# KiCad board vme-wren.kicad_pcb (continued)
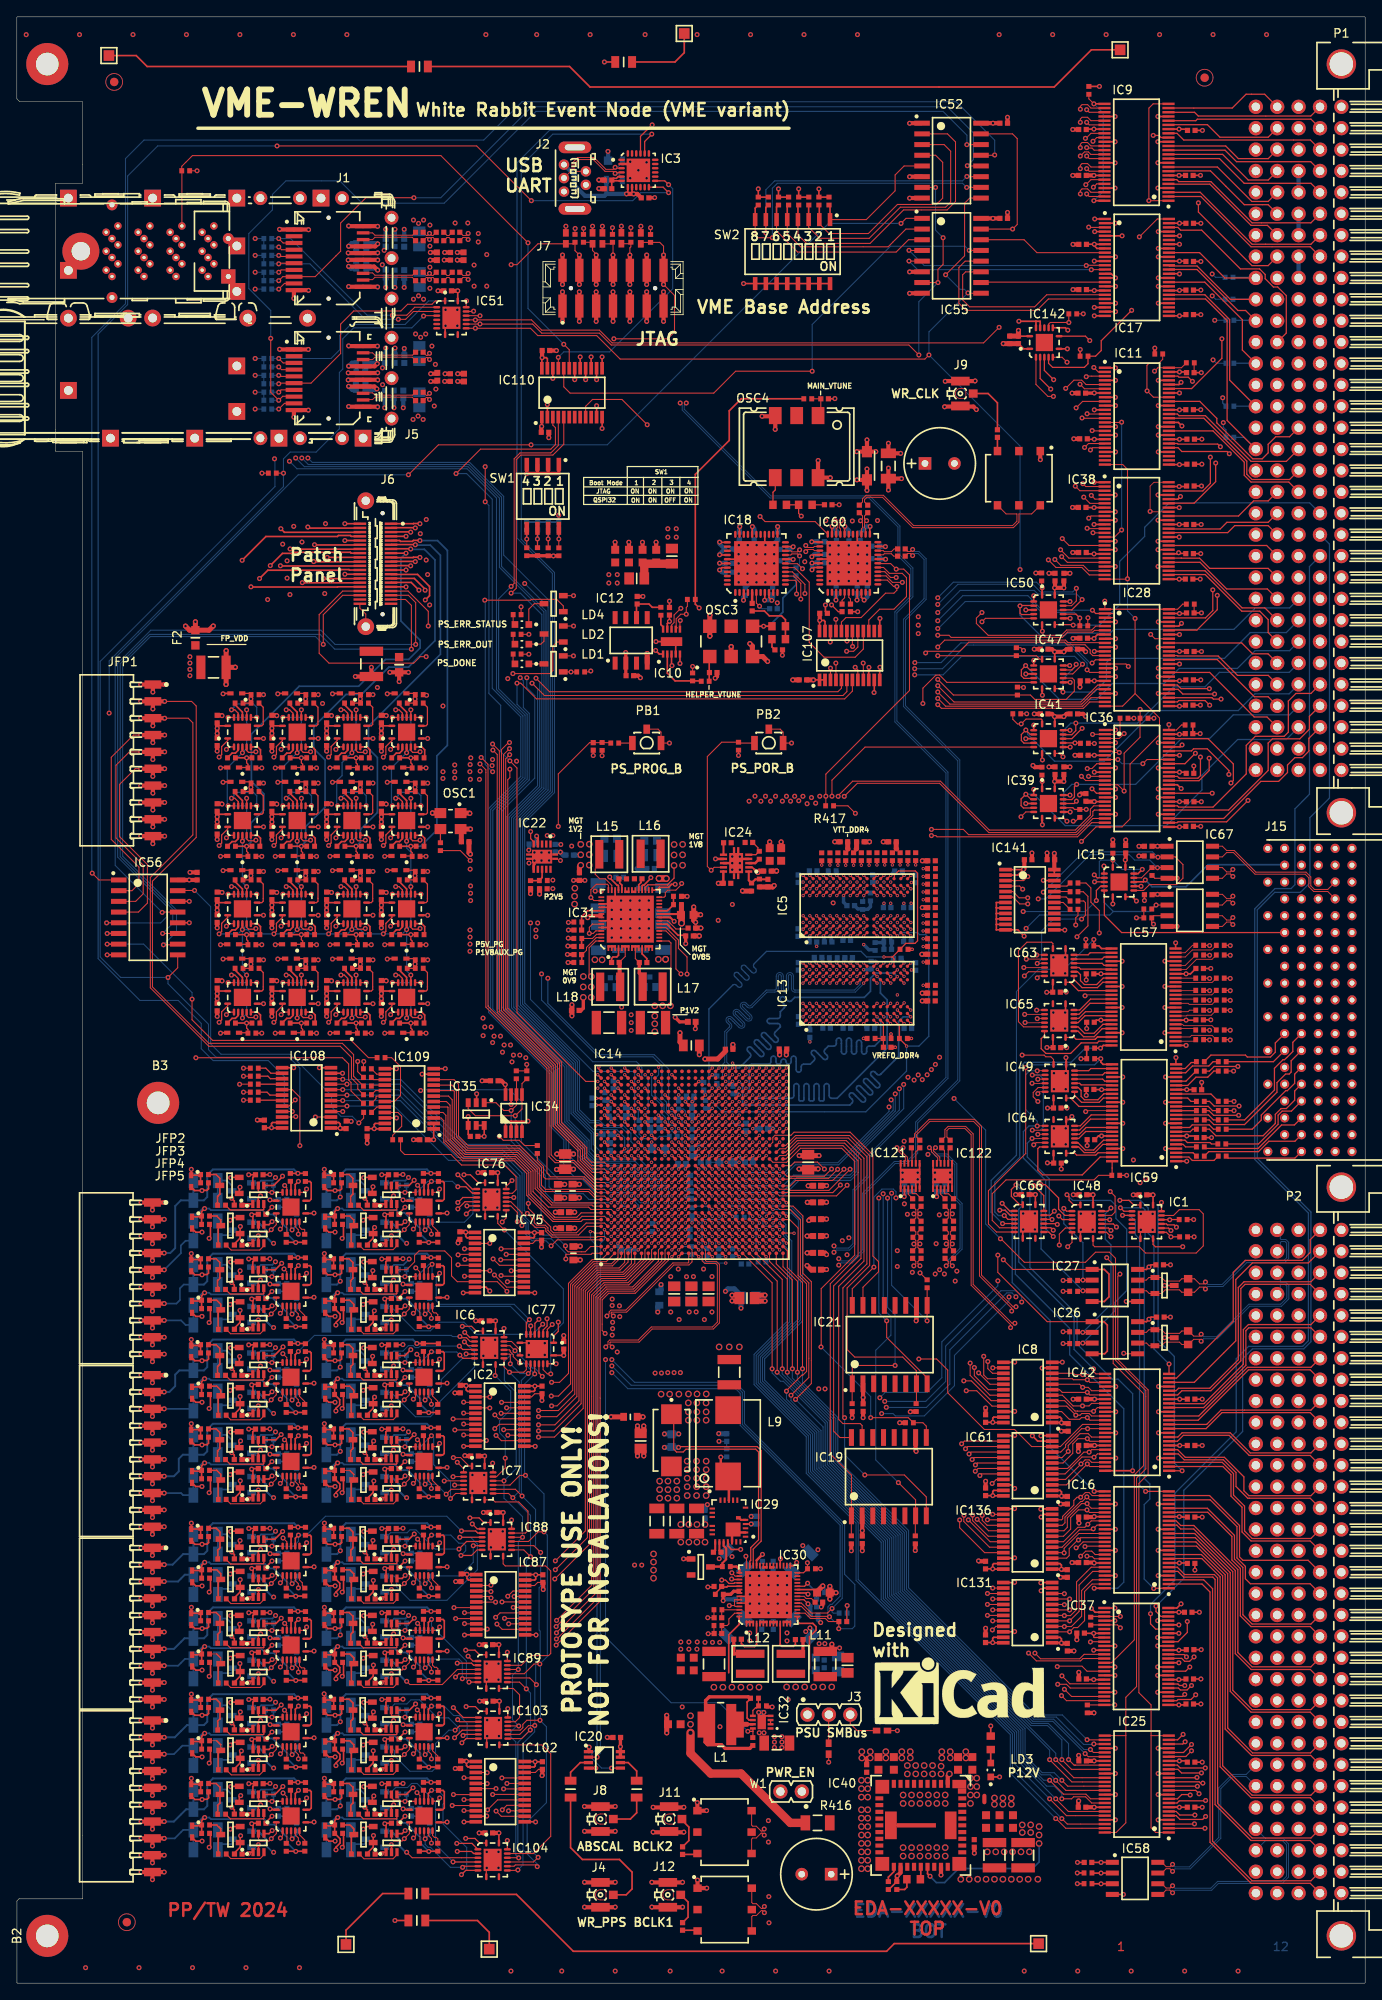
[diagram p0: board, top side]
## Routing (per net, layer and track width the routed paths; a pad name or vN(x,y) marks a point on that pad's centre or on a via; arc(x,y) is an arc through that point) (continued)
/DDR4-PS.A5: length 61.9
  Top Layer w0.15: IC14.AA27 85.78,107.86 ; IC5.P8 v1(104.58,129.94) ; IC13.P8 104.54,120.31 v1(104.57,120.31)
  Top Layer w0.16: v1(103.07,132.77) R75.1
  L3 w0.11: v1(85.79,107.86) 85.4,108.25 85.4,110.28 87.21,112.09 88.34,112.09 arc(88.49,112.02) 88.55,111.88 88.55,111.32 arc(88.62,111.17) 88.76,111.11 arc(88.91,111.17) 88.97,111.32 88.97,112.86 arc(89.04,113) 89.18,113.07 arc(89.33,113) 89.39,112.86 89.39,111.32 arc(89.46,111.17) 89.6,111.11 arc(89.75,111.17) 89.81,111.32 89.81,112.86 arc(89.88,113) 90.02,113.07 arc(90.17,113) 90.23,112.86 90.23,111.32 arc(90.3,111.17) 90.44,111.11 arc(90.59,111.17) 90.65,111.32 90.65,112.86 arc(90.72,113) 90.86,113.07 arc(91.01,113) 91.07,112.86 91.07,111.32 arc(91.14,111.17) 91.28,111.11 arc(91.43,111.17) 91.49,111.32 91.49,111.88 arc(91.56,112.02) 91.7,112.09 92.2,112.09 93.66,113.55 102.32,113.55 102.57,113.8 102.57,114.92 102.8,115.15 103.12,115.15 103.35,115.37 103.35,115.7 103.6,115.95 104.72,115.95 104.97,116.2 104.97,119.91 v1(104.57,120.31) ; v1(103.07,132.77) 103.38,132.46 103.38,131.39 103.59,131.17 103.93,131.17 104.58,130.53 v1(104.58,129.94)
  L10 w0.11: v1(104.57,120.31) 104.18,120.7 104.18,121.65 arc(104.14,121.75) 104.03,121.8 arc(103.93,121.84) 103.89,121.94 103.89,122.07 arc(103.93,122.18) 104.03,122.22 104.32,122.22 arc(104.43,122.26) 104.47,122.37 104.47,122.49 arc(104.43,122.6) 104.32,122.64 103.84,122.64 arc(103.69,122.7) 103.63,122.85 arc(103.69,123) 103.84,123.06 103.97,123.06 arc(104.12,123.12) 104.18,123.27 arc(104.12,123.42) 103.97,123.48 103.84,123.48 arc(103.69,123.54) 103.63,123.69 arc(103.69,123.84) 103.84,123.9 103.97,123.9 arc(104.12,123.96) 104.18,124.11 104.18,126.93 arc(104.12,127.08) 103.97,127.14 103.84,127.14 arc(103.69,127.2) 103.63,127.35 arc(103.69,127.5) 103.84,127.56 104.51,127.56 arc(104.66,127.62) 104.72,127.77 arc(104.66,127.92) 104.51,127.98 104.39,127.98 arc(104.24,128.04) 104.18,128.19 104.18,129.54 v1(104.58,129.94)
/DDR4-PS.A6: length 63.8
  Top Layer w0.15: IC14.Y22 84.98,103.86 ; IC13.P2 v1(104.56,114.74) ; IC5.P2 v1(104.58,125.14)
  Top Layer w0.16: v1(107.63,124.93) R76.1
  L3 w0.11: v1(104.56,114.74) 104.56,114.7 104.82,114.44 104.82,112.86 102.71,110.75 arc(102.65,110.6) 102.71,110.45 102.82,110.34 arc(102.89,110.19) 102.82,110.04 arc(102.68,109.98) 102.53,110.04 102,110.57 arc(101.86,110.63) 101.71,110.57 arc(101.65,110.42) 101.71,110.27 102.23,109.75 arc(102.29,109.6) 102.23,109.45 arc(102.08,109.39) 101.93,109.45 101.41,109.97 arc(101.26,110.04) 101.11,109.97 arc(101.05,109.83) 101.11,109.68 101.64,109.15 arc(101.7,109.01) 101.64,108.86 arc(101.49,108.8) 101.34,108.86 100.82,109.38 arc(100.67,109.44) 100.52,109.38 arc(100.46,109.23) 100.52,109.08 101.04,108.56 arc(101.1,108.41) 101.04,108.26 arc(100.89,108.2) 100.75,108.26 100.22,108.79 arc(100.07,108.85) 99.93,108.79 arc(99.86,108.64) 99.93,108.49 100.45,107.97 arc(100.51,107.82) 100.45,107.67 arc(100.3,107.61) 100.15,107.67 99.63,108.19 arc(99.48,108.25) 99.33,108.19 arc(99.27,108.04) 99.33,107.89 99.85,107.37 arc(99.92,107.22) 99.85,107.08 arc(99.71,107.01) 99.56,107.08 99.03,107.6 arc(98.89,107.66) 98.74,107.6 arc(98.68,107.45) 98.74,107.3 99.26,106.78 arc(99.32,106.63) 99.26,106.48 arc(99.11,106.42) 98.96,106.48 98.44,107 arc(98.29,107.07) 98.14,107 arc(98.08,106.86) 98.14,106.71 98.67,106.18 arc(98.73,106.04) 98.67,105.89 arc(98.52,105.83) 98.37,105.89 97.85,106.41 arc(97.7,106.47) 97.55,106.41 arc(97.49,106.26) 97.55,106.11 98.07,105.59 arc(98.13,105.44) 98.07,105.29 arc(97.92,105.23) 97.78,105.29 97.66,105.41 arc(97.51,105.47) 97.37,105.41 96.25,104.29 85.42,104.29 v1(84.99,103.86)
  L5 w0.11: v1(104.56,114.74) 104.18,115.12 104.18,118.37 arc(104.24,118.52) 104.39,118.58 104.5,118.58 arc(104.65,118.64) 104.71,118.79 arc(104.65,118.94) 104.5,119 104.39,119 arc(104.24,119.06) 104.18,119.21 104.18,120.43 arc(104.16,120.48) 104.11,120.5 arc(104.07,120.52) 104.05,120.56 104.05,120.85 arc(104.07,120.9) 104.11,120.92 104.4,120.92 arc(104.55,120.98) 104.61,121.13 arc(104.55,121.28) 104.4,121.34 104.11,121.34 arc(104.07,121.36) 104.05,121.4 104.05,121.7 arc(104.07,121.75) 104.11,121.77 arc(104.16,121.79) 104.18,121.83 arc(104.24,121.98) 104.39,122.04 104.55,122.04 arc(104.7,122.1) 104.76,122.25 arc(104.7,122.4) 104.55,122.46 104.39,122.46 arc(104.24,122.52) 104.18,122.67 arc(104.24,122.82) 104.39,122.88 104.55,122.88 arc(104.7,122.94) 104.76,123.09 arc(104.7,123.24) 104.55,123.3 103.85,123.3 arc(103.7,123.36) 103.64,123.51 arc(103.7,123.66) 103.85,123.72 103.97,123.72 arc(104.12,123.78) 104.18,123.93 104.18,124.74 v1(104.58,125.14) 104.97,125.52 104.97,126.16 105.13,126.32 106.34,126.32 107.63,125.03 v1(107.63,124.93)
/DDR4-PS.A7: length 61.6
  Top Layer w0.11: v1(85.79,104.66) IC14.AA23
  Top Layer w0.15: IC5.R8 v1(105.38,129.94) ; IC13.R8 v1(105.36,119.54)
  Top Layer w0.16: v1(104.9,132.77) R77.1
  L3 w0.11: v1(105.38,129.94) 105.38,130.97 104.9,131.45 v1(104.9,132.77)
  L5 w0.11: v1(105.36,119.54) 106.2,118.69 106.2,116.14 105.77,115.71 105.77,113.41 102.76,110.4 102.76,109.3 103.06,109 103.06,108.54 102.76,108.24 102.76,103.44 98.06,98.74 90.04,98.74 89.3,99.47 88.83,99.47 88.58,99.73 88.58,100.02 88.35,100.25 88.06,100.25 86.15,102.16 86.15,102.41 85.85,102.71 85.64,102.71 85.4,102.94 85.4,104.27 v1(85.79,104.66)
  L10 w0.11: v1(105.38,129.94) 104.98,129.54 104.98,128.96 arc(104.93,128.85) 104.82,128.8 arc(104.7,128.75) 104.65,128.64 104.65,128.54 arc(104.7,128.43) 104.82,128.38 arc(104.93,128.33) 104.98,128.22 104.98,127.94 arc(105,127.89) 105.04,127.87 arc(105.09,127.86) 105.11,127.81 105.11,127.52 arc(105.09,127.47) 105.04,127.45 104.89,127.45 arc(104.83,127.43) 104.8,127.37 104.8,127.11 arc(104.83,127.05) 104.89,127.02 arc(104.95,127) 104.98,126.93 104.98,124.11 arc(104.92,123.97) 104.77,123.9 104.5,123.9 arc(104.35,123.84) 104.29,123.69 arc(104.35,123.55) 104.5,123.48 104.77,123.48 arc(104.92,123.42) 104.98,123.27 104.98,123.24 arc(104.92,123.11) 104.79,123.05 arc(104.66,123) 104.6,122.87 104.6,122.82 arc(104.66,122.69) 104.79,122.63 105.09,122.63 arc(105.18,122.6) 105.21,122.52 105.21,122.33 arc(105.18,122.25) 105.09,122.21 104.79,122.21 arc(104.65,122.16) 104.6,122.02 104.6,121.99 arc(104.65,121.85) 104.79,121.79 105.04,121.79 arc(105.09,121.78) 105.11,121.73 105.11,121.44 arc(105.09,121.39) 105.04,121.37 104.65,121.37 arc(104.5,121.31) 104.44,121.16 arc(104.5,121.02) 104.65,120.95 104.77,120.95 arc(104.92,120.89) 104.98,120.74 104.98,119.92 v1(105.36,119.54)
/DDR4-PS.A8: length 63.9
  Top Layer w0.15: IC14.AA22 85.78,103.86 ; IC13.R2 104.58,115.52 v1(104.58,115.55) ; IC5.R2 v1(105.38,125.14)
  Top Layer w0.16: v1(107.64,123.08) R78.1
  L3 w0.11: v1(104.58,115.55) 105.77,114.35 105.77,111.92 104.82,110.96 arc(104.76,110.82) 104.82,110.68 arc(104.87,110.53) 104.82,110.39 104.8,110.38 arc(104.66,110.32) 104.52,110.38 104.24,110.66 arc(104.09,110.72) 103.95,110.66 103.94,110.65 arc(103.88,110.5) 103.94,110.36 104.22,110.08 arc(104.28,109.94) 104.22,109.8 104.21,109.78 arc(104.07,109.73) 103.92,109.78 103.64,110.07 arc(103.5,110.13) 103.36,110.07 103.34,110.05 arc(103.29,109.91) 103.34,109.77 103.63,109.49 arc(103.69,109.35) 103.63,109.2 103.61,109.19 arc(103.47,109.13) 103.33,109.19 103.05,109.47 arc(102.91,109.53) 102.76,109.47 102.75,109.46 arc(102.69,109.32) 102.75,109.18 103.03,108.89 arc(103.09,108.75) 103.03,108.61 103.02,108.6 arc(102.88,108.54) 102.74,108.6 102.45,108.88 arc(102.31,108.94) 102.17,108.88 102.16,108.86 arc(102.1,108.72) 102.16,108.58 102.44,108.3 arc(102.5,108.16) 102.44,108.02 102.42,108 arc(102.28,107.94) 102.14,108 101.86,108.28 arc(101.72,108.34) 101.58,108.28 101.56,108.27 arc(101.5,108.13) 101.56,107.99 101.85,107.71 arc(101.9,107.56) 101.85,107.42 101.83,107.41 arc(101.69,107.35) 101.55,107.41 101.27,107.69 arc(101.12,107.75) 100.98,107.69 100.97,107.68 arc(100.91,107.53) 100.97,107.39 101.25,107.11 arc(101.31,106.97) 101.25,106.83 101.24,106.81 arc(101.1,106.76) 100.95,106.81 100.67,107.1 arc(100.53,107.16) 100.39,107.1 100.37,107.08 arc(100.32,106.94) 100.37,106.8 100.66,106.52 arc(100.72,106.38) 100.66,106.23 100.64,106.22 arc(100.5,106.16) 100.36,106.22 100.08,106.5 arc(99.94,106.56) 99.8,106.5 99.78,106.49 arc(99.72,106.35) 99.78,106.21 100.06,105.92 arc(100.12,105.78) 100.06,105.64 100.05,105.63 arc(99.91,105.57) 99.77,105.63 99.48,105.91 arc(99.34,105.97) 99.2,105.91 99.19,105.89 arc(99.13,105.75) 99.19,105.61 99.47,105.33 arc(99.53,105.19) 99.47,105.05 99.45,105.03 arc(99.31,104.97) 99.17,105.03 98.89,105.31 arc(98.75,105.37) 98.61,105.31 98.59,105.3 arc(98.53,105.16) 98.59,105.02 98.88,104.74 arc(98.93,104.59) 98.88,104.45 98.86,104.44 arc(98.72,104.38) 98.58,104.44 98.3,104.72 arc(98.15,104.78) 98.01,104.72 98,104.71 arc(97.94,104.57) 98,104.42 98.28,104.14 arc(98.34,104) 98.28,103.86 98.27,103.84 arc(98.13,103.79) 97.98,103.84 arc(97.84,103.9) 97.7,103.84 97.32,103.46 96.85,103.46 arc(96.71,103.4) 96.65,103.26 arc(96.59,103.12) 96.45,103.06 96.43,103.06 arc(96.29,103.12) 96.23,103.26 arc(96.17,103.4) 96.03,103.46 86.19,103.46 v1(85.79,103.86)
  L5 w0.11: v1(107.64,123.08) 106.58,124.15 106.58,125.4 106.44,125.54 105.78,125.54 v1(105.38,125.14) 104.97,124.73 104.97,123.79 arc(105.04,123.64) 105.18,123.58 105.66,123.58 arc(105.81,123.52) 105.87,123.37 arc(105.81,123.22) 105.66,123.16 105.18,123.16 arc(105.04,123.1) 104.97,122.95 arc(105.04,122.8) 105.18,122.74 105.71,122.74 arc(105.86,122.68) 105.92,122.53 arc(105.86,122.38) 105.71,122.32 105.18,122.32 arc(105.04,122.26) 104.97,122.11 arc(105.03,121.97) 105.17,121.92 arc(105.31,121.86) 105.37,121.72 105.37,121.68 arc(105.31,121.54) 105.17,121.48 104.92,121.48 arc(104.88,121.47) 104.86,121.43 104.86,121.12 arc(104.88,121.08) 104.92,121.06 arc(104.96,121.05) 104.97,121.01 104.97,118.37 arc(104.91,118.22) 104.76,118.16 104.69,118.16 arc(104.55,118.1) 104.48,117.95 arc(104.55,117.8) 104.69,117.74 105.25,117.74 arc(105.4,117.68) 105.46,117.53 arc(105.4,117.38) 105.25,117.32 105.18,117.32 arc(105.04,117.26) 104.97,117.11 104.97,115.95 v1(104.58,115.55)
/DDR4-PS.A9: length 62.5
  Top Layer w0.15: IC13.R7 v1(105.36,118.74) ; IC14.AB23 86.58,104.66 ; IC5.R7 v1(105.38,129.14)
  Top Layer w0.16: v1(105.82,132.78) R79.1
  L3 w0.11: v1(105.38,129.14) 105.82,129.57 105.82,132.74 105.8,132.76 v1(105.82,132.78)
  L5 w0.11: v1(86.59,104.66) 86.2,104.27 86.2,103.24 87.04,102.41 87.04,102.11 87.28,101.87 87.53,101.87 90.31,99.09 97.76,99.09 99.21,100.54 arc(99.27,100.67) 99.21,100.8 arc(99.16,100.93) 99.21,101.06 99.25,101.09 arc(99.38,101.15) 99.51,101.09 99.7,100.9 arc(99.76,100.88) 99.82,100.9 100,101.08 arc(100.02,101.14) 100,101.2 99.81,101.39 arc(99.75,101.52) 99.81,101.66 99.84,101.69 arc(99.97,101.74) 100.1,101.69 100.3,101.5 arc(100.36,101.47) 100.42,101.5 100.59,101.67 arc(100.62,101.73) 100.59,101.79 100.4,101.99 arc(100.35,102.12) 100.4,102.25 100.43,102.28 arc(100.57,102.34) 100.7,102.28 100.89,102.09 arc(100.95,102.07) 101.01,102.09 101.19,102.27 arc(101.21,102.33) 101.19,102.39 100.99,102.58 arc(100.94,102.71) 100.99,102.84 101.03,102.88 arc(101.16,102.93) 101.29,102.88 101.48,102.68 arc(101.54,102.66) 101.61,102.68 101.78,102.86 arc(101.81,102.92) 101.78,102.98 101.59,103.17 arc(101.54,103.3) 101.59,103.43 101.64,103.48 arc(101.77,103.53) 101.9,103.48 arc(102.03,103.43) 102.16,103.48 102.31,103.64 102.31,110.65 104.97,113.31 104.97,115.36 105.76,116.15 105.76,118.33 v1(105.36,118.74)
  L8 w0.11: v1(105.36,118.74) 105.77,119.14 105.77,121.58 arc(105.83,121.73) 105.98,121.79 106.03,121.79 arc(106.18,121.85) 106.24,122 arc(106.18,122.15) 106.03,122.21 105.5,122.21 arc(105.35,122.27) 105.29,122.42 arc(105.35,122.57) 105.5,122.63 105.85,122.63 arc(105.91,122.65) 105.94,122.71 105.94,122.96 arc(105.91,123.02) 105.85,123.05 105.5,123.05 arc(105.35,123.11) 105.29,123.26 arc(105.35,123.41) 105.5,123.47 106.03,123.47 arc(106.18,123.53) 106.24,123.68 arc(106.18,123.83) 106.03,123.89 105.98,123.89 arc(105.83,123.95) 105.77,124.1 105.77,126.45 arc(105.83,126.6) 105.98,126.66 106.03,126.66 arc(106.18,126.72) 106.24,126.87 arc(106.18,127.02) 106.03,127.08 105.98,127.08 arc(105.83,127.14) 105.77,127.29 105.77,128.75 v1(105.38,129.14)
/DDR4-PS.A10: length 66.2
  Top Layer w0.15: IC5.M3 v1(102.98,126.74) ; IC14.AA25 85.78,106.26 ; IC13.M3 v1(102.96,116.34)
  Top Layer w0.16: v1(107.64,130.48) R80.1
  L3 w0.11: v1(85.79,106.26) 85.39,106.66 84.02,106.66 83.76,106.92 83.76,108.75 84.72,109.71 84.72,110.75 84.2,111.27 84.2,111.74 arc(84.27,111.88) 84.41,111.95 84.65,111.95 arc(84.8,112.01) 84.86,112.16 arc(84.8,112.3) 84.65,112.37 84.41,112.37 arc(84.27,112.43) 84.2,112.58 84.2,113.04 85.05,113.89 arc(85.2,113.83) 85.26,113.68 85.26,113.44 arc(85.33,113.29) 85.47,113.23 arc(85.62,113.29) 85.68,113.44 85.68,114.29 arc(85.75,114.44) 85.89,114.5 arc(86.04,114.44) 86.1,114.29 86.1,113.44 arc(86.17,113.29) 86.31,113.23 arc(86.46,113.29) 86.52,113.44 86.52,114.24 arc(86.59,114.39) 86.73,114.45 arc(86.88,114.39) 86.94,114.24 86.94,113.44 arc(87.01,113.29) 87.15,113.23 arc(87.3,113.29) 87.36,113.44 87.36,114.24 arc(87.43,114.39) 87.57,114.45 arc(87.72,114.39) 87.78,114.24 87.78,113.44 arc(87.85,113.29) 87.99,113.23 arc(88.14,113.29) 88.2,113.44 88.2,114.24 arc(88.27,114.39) 88.41,114.45 arc(88.56,114.39) 88.62,114.24 88.62,113.44 arc(88.69,113.29) 88.83,113.23 arc(88.98,113.29) 89.04,113.44 89.04,114.24 arc(89.11,114.39) 89.25,114.45 arc(89.4,114.39) 89.46,114.24 89.46,113.49 arc(89.53,113.34) 89.67,113.28 arc(89.82,113.34) 89.88,113.49 89.88,113.68 arc(89.95,113.83) 90.09,113.89 91.7,113.89 92.15,114.34 101.03,114.34 101.42,114.72 101.42,115.59 101.78,115.95 102.58,115.95 v1(102.96,116.34) 102.58,116.72 102.58,117.73 arc(102.64,117.88) 102.79,117.94 102.89,117.94 arc(103.04,118) 103.1,118.15 arc(103.04,118.3) 102.89,118.36 102.79,118.36 arc(102.64,118.42) 102.58,118.57 102.58,119.04 arc(102.64,119.19) 102.79,119.25 102.89,119.25 arc(103.04,119.31) 103.1,119.46 arc(103.04,119.61) 102.89,119.67 102.79,119.67 arc(102.64,119.73) 102.58,119.88 arc(102.64,120.03) 102.79,120.09 102.89,120.09 arc(103.04,120.15) 103.1,120.3 arc(103.04,120.45) 102.89,120.51 102.79,120.51 arc(102.64,120.57) 102.58,120.72 102.58,121.66 arc(102.52,121.81) 102.37,121.87 102.37,121.87 arc(102.22,121.93) 102.16,122.08 arc(102.22,122.23) 102.37,122.29 102.94,122.29 arc(103.09,122.35) 103.15,122.5 arc(103.09,122.65) 102.94,122.71 102.79,122.71 arc(102.64,122.77) 102.58,122.92 arc(102.64,123.07) 102.79,123.13 102.94,123.13 arc(103.09,123.19) 103.15,123.34 arc(103.09,123.49) 102.94,123.55 102.79,123.55 arc(102.64,123.61) 102.58,123.76 IC5.M3 v1(102.98,126.74) 103.36,127.12 103.36,128.41 103.64,128.69 105.85,128.69 v1(107.64,130.48)
/DDR4-PS.A11: length 61.9
  Top Layer w0.15: IC5.T2 v1(106.18,125.14) ; IC14.AA26 85.78,107.06 ; IC13.T2 v1(106.16,114.74)
  Top Layer w0.16: v1(107.64,121.24) R81.1
  L3 w0.11: v1(106.18,125.14) 106.68,124.63 106.68,121.79 107.24,121.24 v1(107.64,121.24)
  L5 w0.11: v1(106.18,125.14) 105.78,124.74 105.78,123.94 107,122.71 107,120.71 arc(107.06,120.57) 107.21,120.51 arc(107.35,120.45) 107.41,120.31 107.41,120.27 arc(107.35,120.13) 107.21,120.07 106.8,120.07 arc(106.66,120.01) 106.6,119.87 106.6,119.84 arc(106.66,119.69) 106.8,119.63 107.21,119.63 arc(107.35,119.57) 107.41,119.43 107.41,119.4 arc(107.35,119.25) 107.21,119.19 106.8,119.19 arc(106.66,119.13) 106.6,118.99 106.6,118.94 arc(106.66,118.79) 106.8,118.73 arc(106.94,118.67) 107,118.53 107,115.24 106.5,114.74 v1(106.16,114.74)
  Bottom Layer w0.2: v1(85.79,107.06) 86.19,106.66 86.19,104.5 86.42,104.26 98.93,104.26 99.19,104.52 arc(99.28,104.73) 99.19,104.95 98.93,105.2 arc(98.85,105.42) 98.93,105.63 arc(99.15,105.72) 99.36,105.63 100.3,104.69 arc(100.51,104.6) 100.72,104.69 arc(100.81,104.9) 100.72,105.11 99.78,106.05 arc(99.69,106.26) 99.78,106.48 arc(99.99,106.56) 100.21,106.48 101.15,105.54 arc(101.36,105.45) 101.57,105.54 arc(101.66,105.75) 101.57,105.96 100.63,106.9 arc(100.54,107.11) 100.63,107.32 arc(100.84,107.41) 101.06,107.32 102,106.38 arc(102.21,106.3) 102.42,106.38 arc(102.51,106.6) 102.42,106.81 101.48,107.75 arc(101.39,107.96) 101.48,108.17 arc(101.69,108.26) 101.9,108.17 102.16,107.92 arc(102.37,107.83) 102.59,107.92 104.72,110.05 104.72,114.18 105.28,114.74 v1(106.16,114.74)
/DDR4-PS.A12: length 63.9
  Top Layer w0.15: IC5.M7 v1(102.98,129.14) ; IC14.AB25 86.58,106.26 ; IC13.M7 v1(102.96,118.74)
  Top Layer w0.16: v1(100.3,132.73) 100.3,133.25
  L5 w0.11: v1(102.98,129.14) IC5.M7 101.38,129.54 101.18,129.74 101.18,131.85 v1(100.3,132.73)
  L8 w0.11: v1(102.98,129.14) 102.58,128.74 arc(102.52,128.59) 102.37,128.53 102.26,128.53 arc(102.12,128.46) 102.05,128.32 arc(102.12,128.17) 102.26,128.11 102.37,128.11 arc(102.52,128.04) 102.58,127.9 arc(102.52,127.75) 102.37,127.69 102.26,127.69 arc(102.12,127.62) 102.05,127.48 arc(102.12,127.33) 102.26,127.27 102.37,127.27 arc(102.52,127.2) 102.58,127.06 102.58,123.77 arc(102.61,123.69) 102.68,123.66 arc(102.76,123.63) 102.79,123.55 102.79,123.33 arc(102.76,123.25) 102.68,123.22 102.21,123.22 arc(102.07,123.16) 102,123.01 arc(102.07,122.86) 102.21,122.8 102.66,122.8 arc(102.72,122.78) 102.75,122.72 102.75,122.46 arc(102.72,122.41) 102.66,122.38 102.21,122.38 arc(102.07,122.32) 102,122.17 arc(102.07,122.02) 102.21,121.96 102.37,121.96 arc(102.52,121.9) 102.58,121.75 102.58,119.12 v1(102.96,118.74)
  L10 w0.11: v1(86.59,106.26) 86.2,106.65 86.2,108.89 87,109.69 87,110.74 arc(86.95,110.87) 86.82,110.92 arc(86.7,110.97) 86.64,111.1 86.64,111.18 arc(86.7,111.31) 86.82,111.36 87.19,111.36 arc(87.32,111.42) 87.37,111.54 87.37,111.6 arc(87.32,111.73) 87.19,111.78 86.82,111.78 arc(86.69,111.84) 86.64,111.96 86.64,112.02 arc(86.69,112.15) 86.82,112.2 87.19,112.2 arc(87.32,112.26) 87.37,112.38 87.37,112.44 arc(87.32,112.57) 87.19,112.62 86.82,112.62 arc(86.69,112.68) 86.64,112.8 86.64,112.86 arc(86.69,112.99) 86.82,113.04 87.19,113.04 arc(87.32,113.1) 87.37,113.22 87.37,113.28 arc(87.32,113.41) 87.19,113.46 86.82,113.46 arc(86.69,113.52) 86.64,113.64 86.64,113.7 arc(86.69,113.83) 86.82,113.88 87.18,113.88 arc(87.31,113.93) 87.36,114.06 87.36,114.12 arc(87.31,114.25) 87.18,114.3 arc(87.06,114.35) 87,114.48 87,118.84 90.25,122.09 98.11,122.09 98.57,121.62 98.57,118.12 99.16,117.54 100.41,117.54 102,115.95 102.32,115.95 102.55,116.17 102.55,118.03 102.96,118.45 v1(102.96,118.74)
/DDR4-PS.A13: length 60.8
  Top Layer w0.15: v1(105.37,120.31) 105.38,120.31 IC13.T8 ; IC5.T8 v1(106.18,129.94) ; IC14.AB26 86.58,107.06
  Top Layer w0.16: v1(106.75,132.77) R83.1
  L3 w0.11: v1(106.75,132.77) 106.75,130.5 v1(106.18,129.94)
  L8 w0.11: v1(105.37,120.31) 104.97,119.91 104.97,118.59 104.61,118.24 101.58,118.24 101.14,117.8 101.14,111.74 arc(101.2,111.59) 101.35,111.53 101.63,111.53 arc(101.78,111.47) 101.84,111.32 arc(101.78,111.17) 101.63,111.11 100.65,111.11 arc(100.51,111.05) 100.44,110.9 arc(100.51,110.75) 100.65,110.69 101.63,110.69 arc(101.78,110.63) 101.84,110.48 arc(101.78,110.33) 101.63,110.27 101.35,110.27 arc(101.2,110.21) 101.14,110.06 101.14,108.88 96.55,104.29 95.64,104.29 arc(95.5,104.35) 95.44,104.49 arc(95.39,104.63) 95.24,104.69 95.22,104.69 arc(95.08,104.63) 95.02,104.49 95.02,104.09 arc(94.97,103.95) 94.82,103.89 94.8,103.89 arc(94.66,103.95) 94.6,104.09 94.6,104.49 arc(94.55,104.63) 94.4,104.69 94.38,104.69 arc(94.24,104.63) 94.18,104.49 94.18,104.09 arc(94.13,103.95) 93.98,103.89 93.96,103.89 arc(93.82,103.95) 93.76,104.09 93.76,104.49 arc(93.71,104.63) 93.56,104.69 93.54,104.69 arc(93.4,104.63) 93.34,104.49 93.34,104.09 arc(93.29,103.95) 93.14,103.89 93.12,103.89 arc(92.98,103.95) 92.92,104.09 92.92,104.49 arc(92.87,104.63) 92.72,104.69 92.7,104.69 arc(92.56,104.63) 92.5,104.49 arc(92.45,104.35) 92.3,104.29 87.25,104.29 87.03,104.51 87.03,106.62 v1(86.59,107.06)
  L10 w0.11: v1(105.37,120.31) 105.77,120.72 105.77,121.58 105.78,121.59 arc(105.84,121.74) 105.99,121.8 106.03,121.8 arc(106.18,121.86) 106.24,122.01 arc(106.18,122.16) 106.03,122.22 105.62,122.22 arc(105.52,122.26) 105.47,122.37 105.47,122.49 arc(105.52,122.59) 105.62,122.64 105.83,122.64 arc(105.87,122.66) 105.89,122.69 105.89,123 arc(105.87,123.04) 105.83,123.06 105.52,123.06 arc(105.37,123.12) 105.31,123.27 arc(105.37,123.42) 105.52,123.48 106.03,123.48 arc(106.18,123.54) 106.24,123.69 arc(106.18,123.84) 106.03,123.9 105.99,123.9 arc(105.84,123.96) 105.78,124.11 105.78,126.46 arc(105.84,126.61) 105.99,126.67 106.03,126.67 arc(106.18,126.73) 106.24,126.88 arc(106.18,127.03) 106.03,127.09 105.52,127.09 arc(105.37,127.15) 105.31,127.3 arc(105.37,127.45) 105.52,127.51 105.57,127.51 arc(105.72,127.57) 105.78,127.72 105.78,129.54 v1(106.18,129.94)
/DDR4-PS.ACTN: length 69
  Top Layer w0.15: IC14.Y23 84.98,104.66 ; IC13.L3 v1(102.16,116.34) ; IC5.L3 v1(102.18,126.74)
  Top Layer w0.16: v1(107.64,132.33) R97.1
  L3 w0.11: v1(102.18,126.74) IC5.L3 101.78,125.94 arc(101.72,125.79) 101.57,125.73 101.09,125.73 arc(100.94,125.67) 100.88,125.52 arc(100.94,125.37) 101.09,125.31 101.57,125.31 arc(101.72,125.25) 101.78,125.1 arc(101.72,124.95) 101.57,124.89 101.49,124.89 arc(101.34,124.83) 101.28,124.68 arc(101.34,124.53) 101.49,124.47 101.57,124.47 arc(101.72,124.41) 101.78,124.26 arc(101.75,124.2) 101.69,124.17 arc(101.63,124.15) 101.6,124.08 101.6,123.8 arc(101.63,123.74) 101.69,123.72 102.12,123.72 arc(102.27,123.65) 102.33,123.51 arc(102.27,123.36) 102.12,123.3 101.68,123.3 arc(101.62,123.27) 101.59,123.2 101.59,122.97 arc(101.62,122.9) 101.68,122.88 102.07,122.88 arc(102.22,122.81) 102.28,122.67 arc(102.22,122.52) 102.07,122.46 101.99,122.46 arc(101.84,122.39) 101.78,122.25 101.78,116.72 v1(102.16,116.34)
  L5 w0.11: v1(102.18,126.74) 102.18,128.18 102.66,128.66 104.68,128.66 104.99,128.98 104.99,131.81 105.51,132.33 v1(107.64,132.33)
  L10 w0.11: v1(102.16,116.34) 101.76,116.73 101.76,118.08 100.72,119.12 99.6,119.12 99.36,119.36 99.36,121.94 98.91,122.39 88.9,122.39 86.2,119.69 86.2,118.69 arc(86.26,118.55) 86.4,118.49 arc(86.54,118.43) 86.6,118.29 86.6,118.27 arc(86.54,118.13) 86.4,118.07 86.01,118.07 arc(85.87,118.01) 85.81,117.87 85.81,117.85 arc(85.87,117.71) 86.01,117.65 86.4,117.65 arc(86.54,117.59) 86.6,117.45 86.6,117.43 arc(86.54,117.29) 86.4,117.23 86.01,117.23 arc(85.87,117.17) 85.81,117.03 85.81,117.01 arc(85.87,116.87) 86.01,116.81 86.4,116.81 arc(86.54,116.75) 86.6,116.61 86.6,116.59 arc(86.54,116.45) 86.4,116.39 86.03,116.39 arc(85.91,116.34) 85.86,116.22 85.86,116.14 arc(85.91,116.02) 86.03,115.97 86.4,115.97 arc(86.54,115.91) 86.6,115.77 86.6,115.75 arc(86.54,115.61) 86.4,115.55 arc(86.26,115.49) 86.2,115.35 86.2,109.49 85.4,108.69 85.4,106.9 84.99,106.49 v1(84.99,104.66)
/DDR4-PS.ALERTN: length 58.5
  Top Layer w0.15: IC13.P9 104.16,121.66 103.98,121.84 ; 103.98,121.84 v1(102.98,121.84) ; 103.98,121.84 104.66,122.51 104.68,122.51 104.89,122.73 R113.1 104.89,122.77 105.58,123.46 106.67,123.46 106.97,123.76 106.97,131.79 106.71,132.05 104.7,132.05 104.21,131.56 104.21,131.17 IC5.P9 ; IC14.U25 82.58,106.26
  Bottom Layer w0.15: v1(82.59,106.26) 82.19,106.66 82.19,115.67 85.02,118.49 arc(85.23,118.58) 85.44,118.49 85.62,118.32 arc(85.83,118.23) 86.04,118.32 arc(86.13,118.53) 86.04,118.74 85.27,119.51 arc(85.18,119.73) 85.27,119.94 arc(85.48,120.03) 85.69,119.94 86.46,119.17 arc(86.68,119.08) 86.89,119.17 arc(86.98,119.38) 86.89,119.59 86.12,120.36 arc(86.03,120.58) 86.12,120.79 arc(86.33,120.88) 86.54,120.79 87.31,120.02 arc(87.52,119.93) 87.74,120.02 arc(87.82,120.23) 87.74,120.44 87.56,120.61 arc(87.48,120.83) 87.56,121.04 89.04,122.51 100.25,122.51 100.92,121.84 v1(102.98,121.84)
/DDR4-PS.BA0: length 65.7
  Top Layer w0.15: IC14.V23 83.38,104.66 ; IC13.N2 v1(103.76,114.74) ; IC5.N2 v1(103.78,125.14)
  Top Layer w0.16: v1(107.64,126.78) R108.1
  L3 w0.11: v1(83.39,104.66) 83.79,105.06 93.88,105.06 94.15,105.34 arc(94.22,105.49) 94.15,105.64 93.96,105.83 arc(93.9,105.97) 93.96,106.12 arc(94.11,106.18) 94.26,106.12 94.94,105.45 arc(95.09,105.38) 95.24,105.45 arc(95.3,105.59) 95.24,105.74 94.56,106.42 arc(94.5,106.57) 94.56,106.72 arc(94.71,106.78) 94.85,106.72 95.53,106.04 arc(95.68,105.98) 95.83,106.04 arc(95.89,106.19) 95.83,106.34 95.15,107.01 arc(95.09,107.16) 95.15,107.31 arc(95.3,107.37) 95.45,107.31 96.13,106.63 arc(96.27,106.57) 96.42,106.63 arc(96.48,106.78) 96.42,106.93 95.75,107.61 arc(95.68,107.76) 95.75,107.9 arc(95.89,107.97) 96.04,107.9 96.72,107.23 arc(96.87,107.17) 97.02,107.23 arc(97.08,107.38) 97.02,107.52 96.34,108.2 arc(96.28,108.35) 96.34,108.5 arc(96.49,108.56) 96.64,108.5 97.31,107.82 arc(97.46,107.76) 97.61,107.82 arc(97.67,107.97) 97.61,108.12 96.93,108.8 arc(96.87,108.94) 96.93,109.09 arc(97.08,109.15) 97.23,109.09 97.91,108.42 arc(98.06,108.35) 98.2,108.42 arc(98.27,108.56) 98.2,108.71 97.53,109.39 arc(97.47,109.54) 97.53,109.69 arc(97.68,109.75) 97.82,109.69 98.5,109.01 arc(98.65,108.95) 98.8,109.01 arc(98.86,109.16) 98.8,109.31 98.61,109.5 arc(98.55,109.65) 98.61,109.79 98.8,109.99 100.46,109.99 104.15,113.67 104.15,114.35 v1(103.76,114.74)
  L5 w0.11: v1(107.64,126.78) 107.16,127.26 104.56,127.26 104.18,126.88 104.18,125.54 v1(103.78,125.14) 103.38,124.74 103.38,123.3 arc(103.44,123.15) 103.59,123.09 103.72,123.09 arc(103.87,123.03) 103.93,122.88 arc(103.87,122.73) 103.72,122.67 103.08,122.67 arc(102.94,122.61) 102.87,122.46 arc(102.94,122.31) 103.08,122.25 103.67,122.25 arc(103.82,122.19) 103.88,122.04 arc(103.82,121.89) 103.67,121.83 103.59,121.83 arc(103.44,121.77) 103.38,121.62 103.38,120.94 arc(103.4,120.88) 103.47,120.85 arc(103.53,120.83) 103.56,120.76 103.56,120.52 arc(103.53,120.46) 103.47,120.43 103.29,120.43 arc(103.22,120.41) 103.2,120.34 103.2,120.07 arc(103.22,120) 103.29,119.98 arc(103.35,119.95) 103.38,119.89 103.38,119.64 arc(103.35,119.58) 103.29,119.55 arc(103.23,119.53) 103.21,119.47 103.21,119.22 arc(103.23,119.16) 103.29,119.13 arc(103.35,119.11) 103.38,119.05 103.38,118.58 arc(103.44,118.43) 103.59,118.37 103.67,118.37 arc(103.82,118.31) 103.88,118.16 arc(103.82,118.01) 103.67,117.95 103.31,117.95 arc(103.26,117.93) 103.24,117.88 103.24,117.6 arc(103.26,117.55) 103.31,117.53 103.67,117.53 arc(103.82,117.47) 103.88,117.32 arc(103.82,117.17) 103.67,117.11 103.59,117.11 arc(103.44,117.05) 103.38,116.9 103.38,115.84 103.76,115.46 v1(103.76,114.74)